# Altium PCB LHCbit.PcbDoc
Units mm, origin at the board's own origin, x right, y up, seen from the top; angles counter-clockwise.
Board outline 51.6 x 44.4 mm, 4 copper layers (Top Layer, Layer 1, Layer 2, Bottom Layer), stack 1.588 mm thick; 52 components, 48 nets, 308 pads, 297 vias.
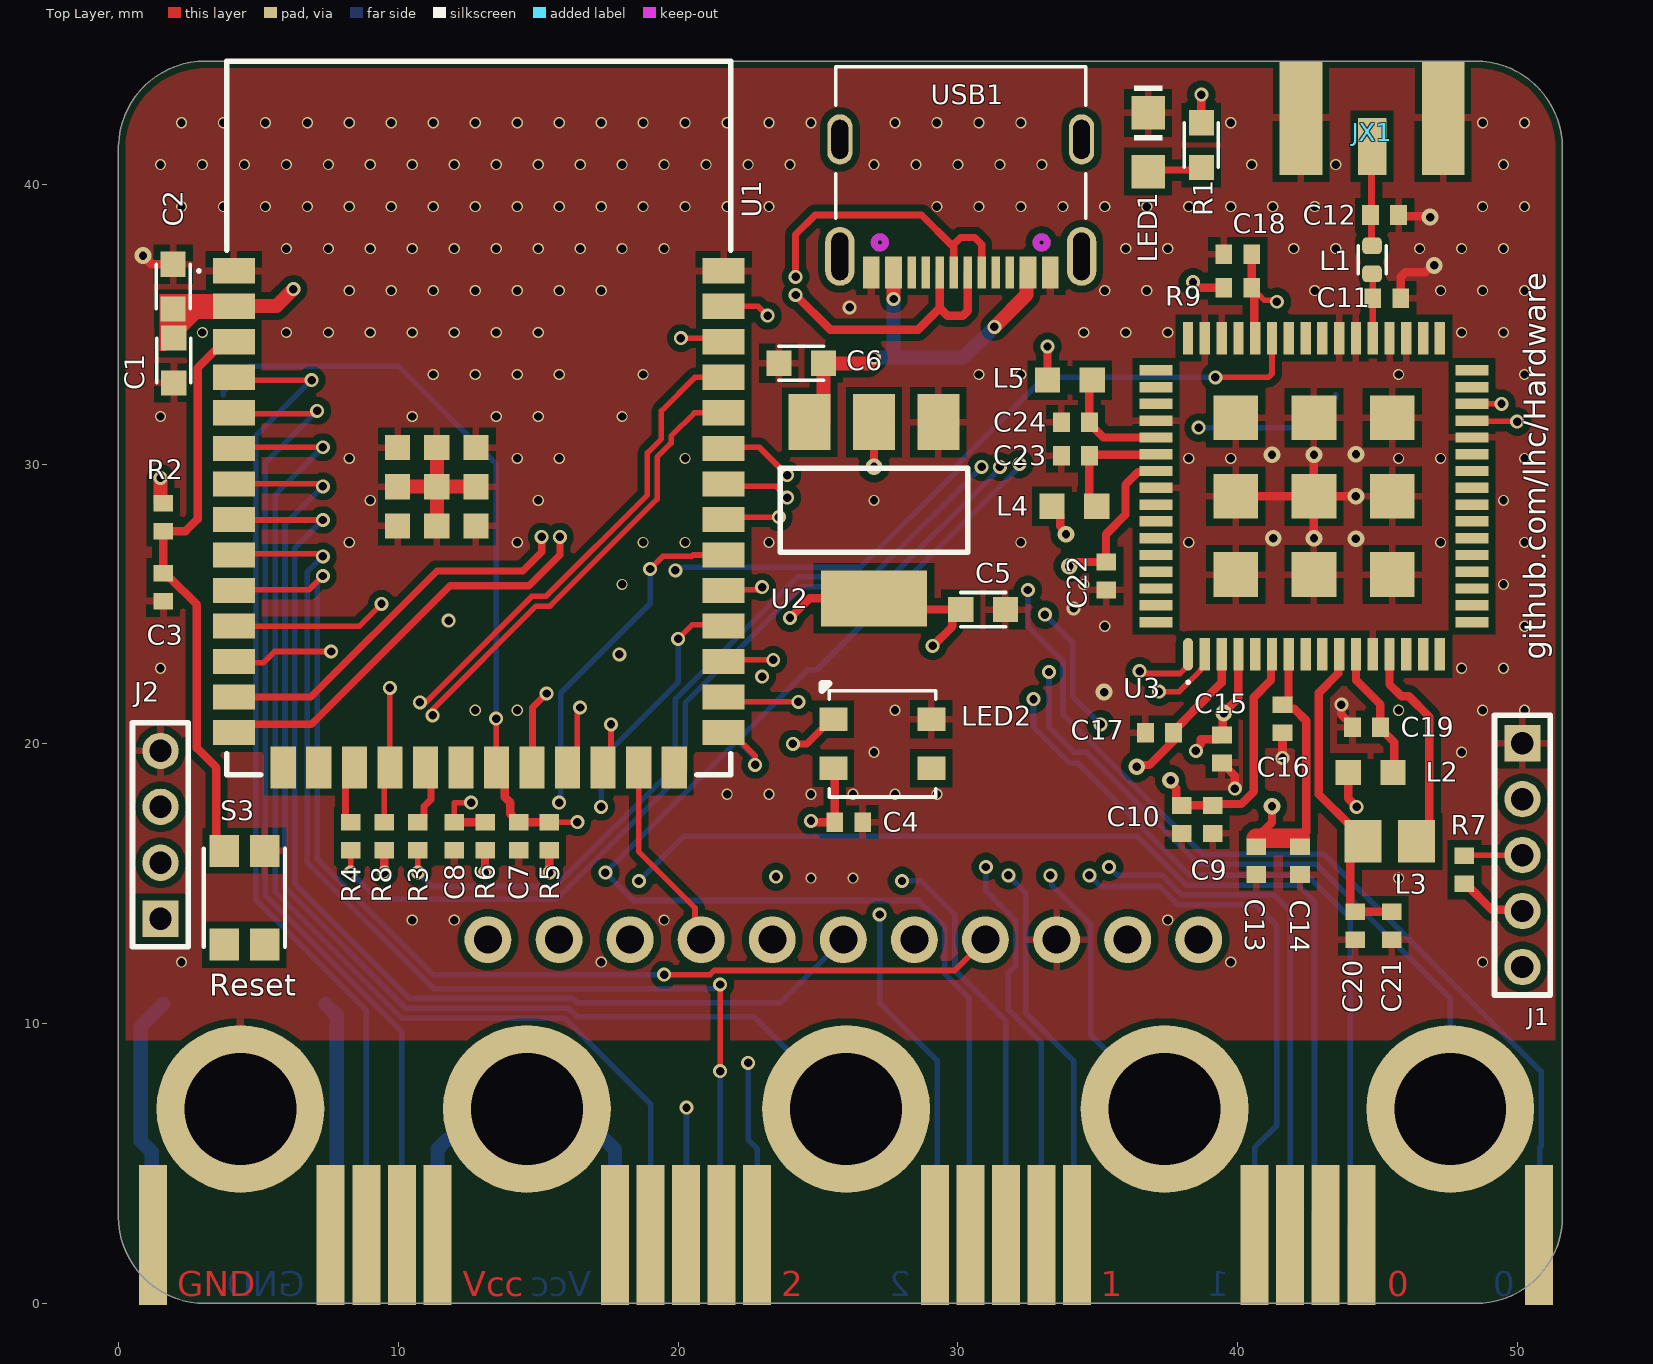
[diagram p0: Top Layer view]
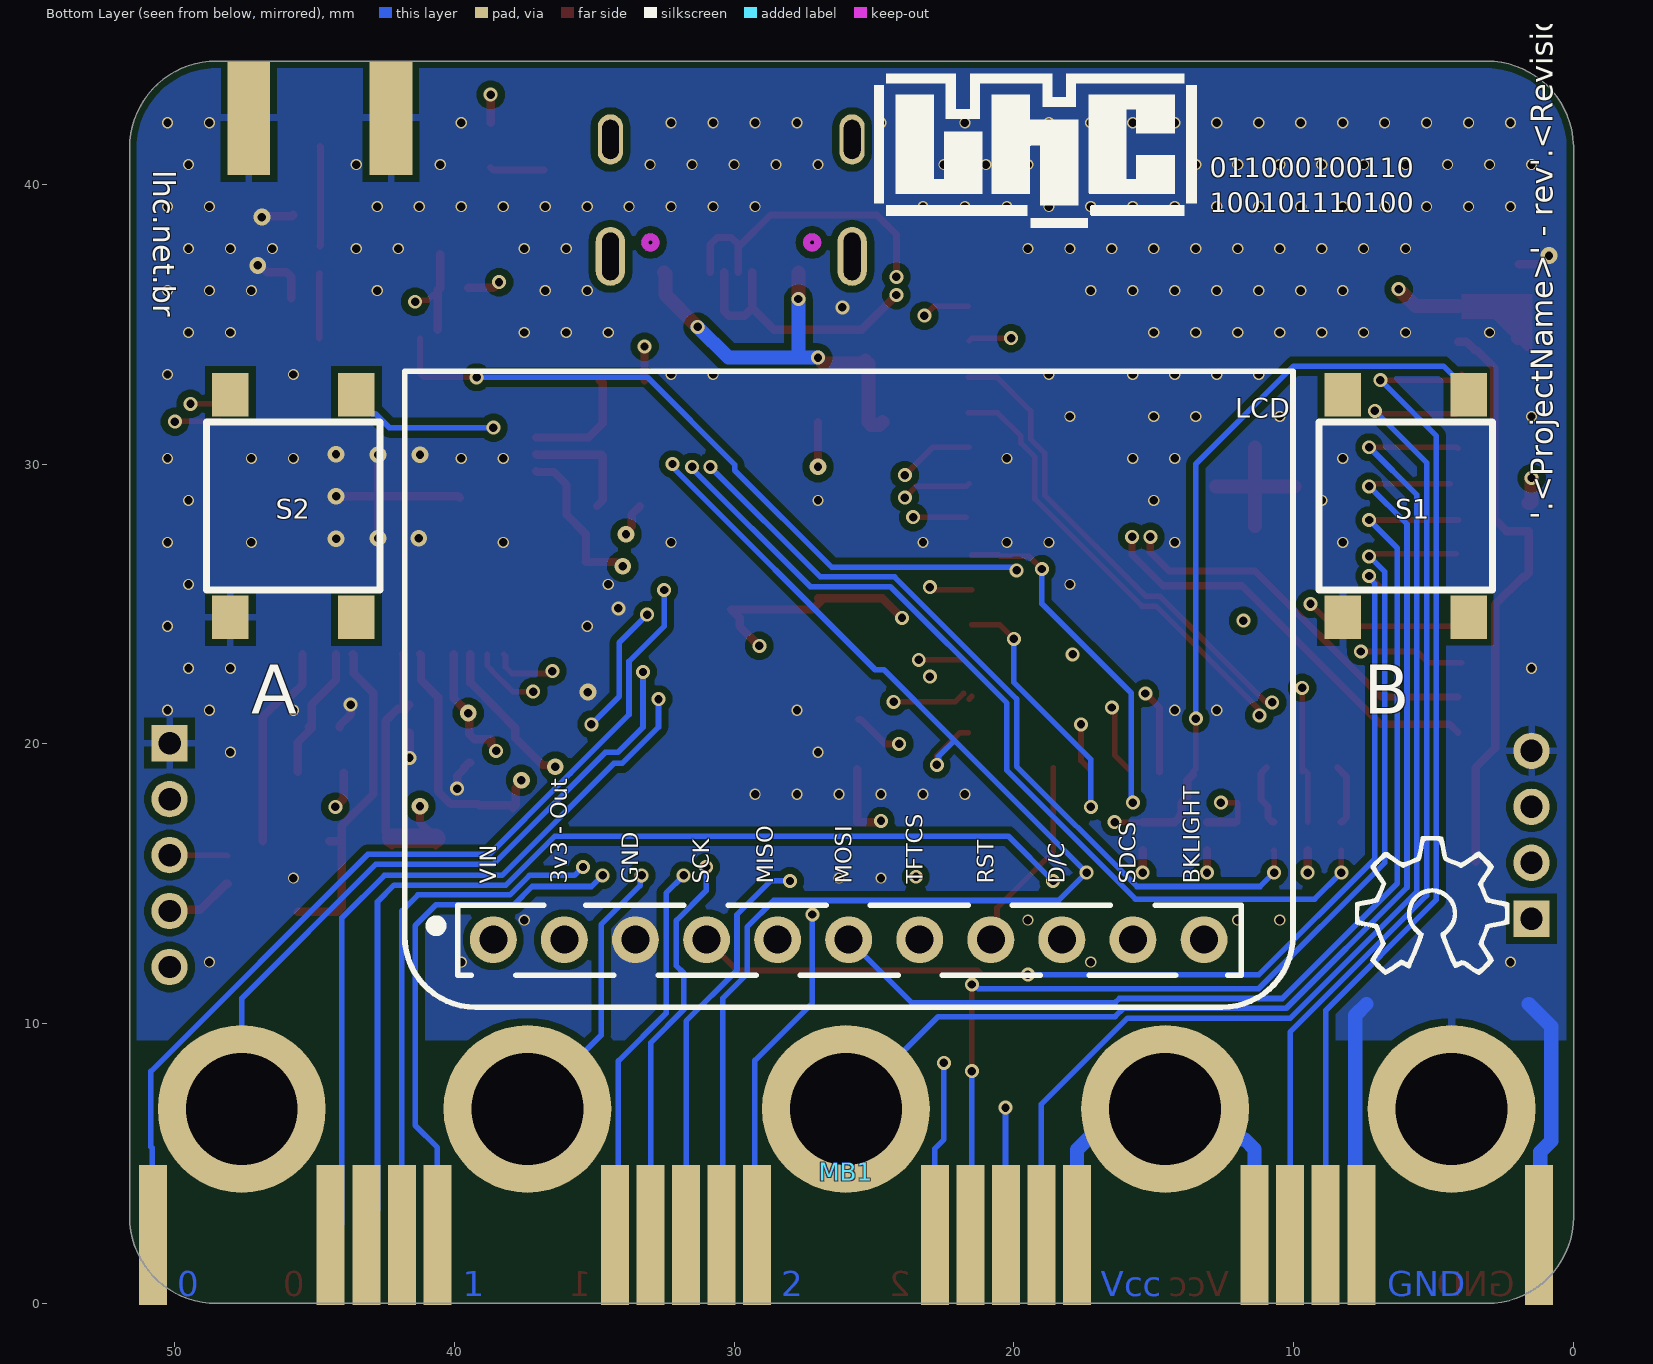
[diagram p1: Bottom Layer view, seen from below]
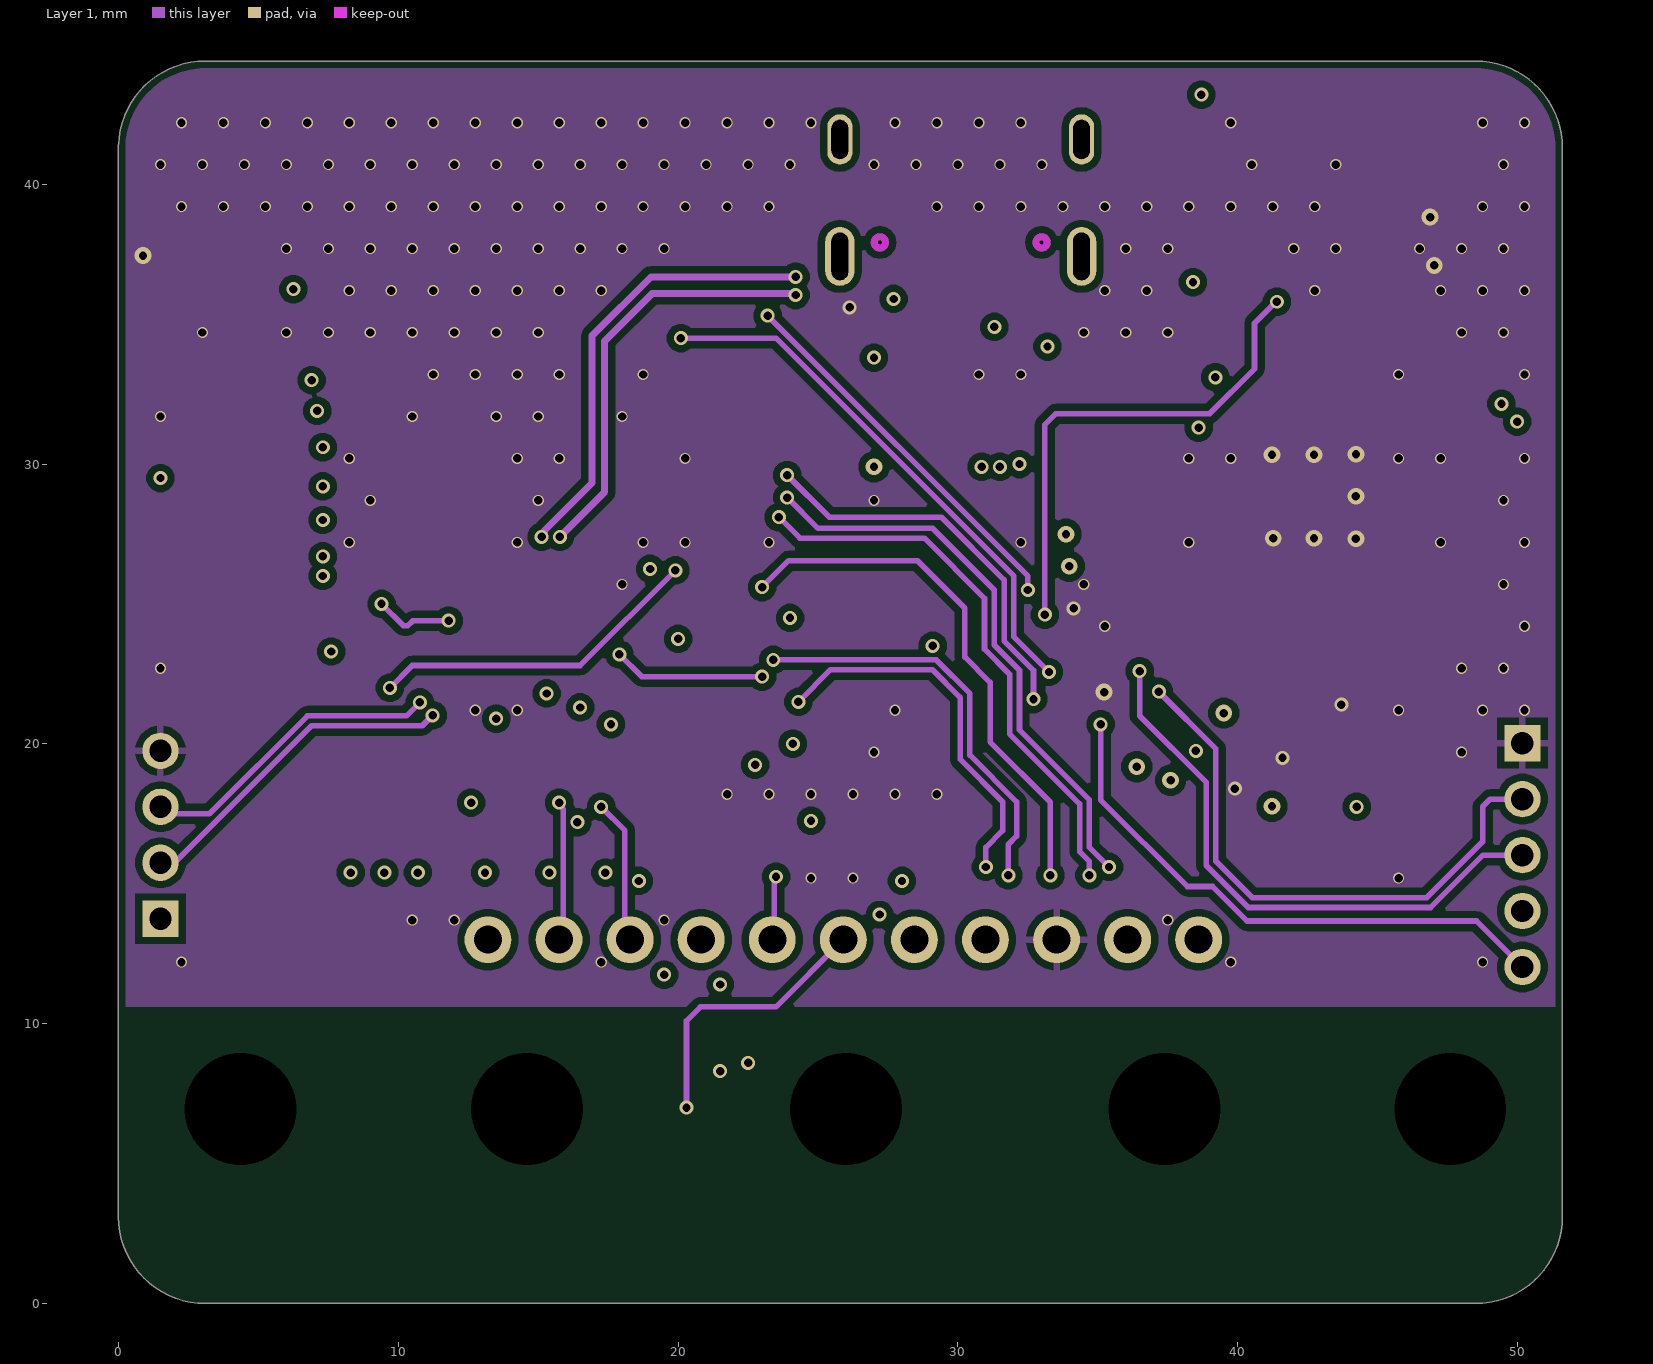
[diagram p2: Layer 1]
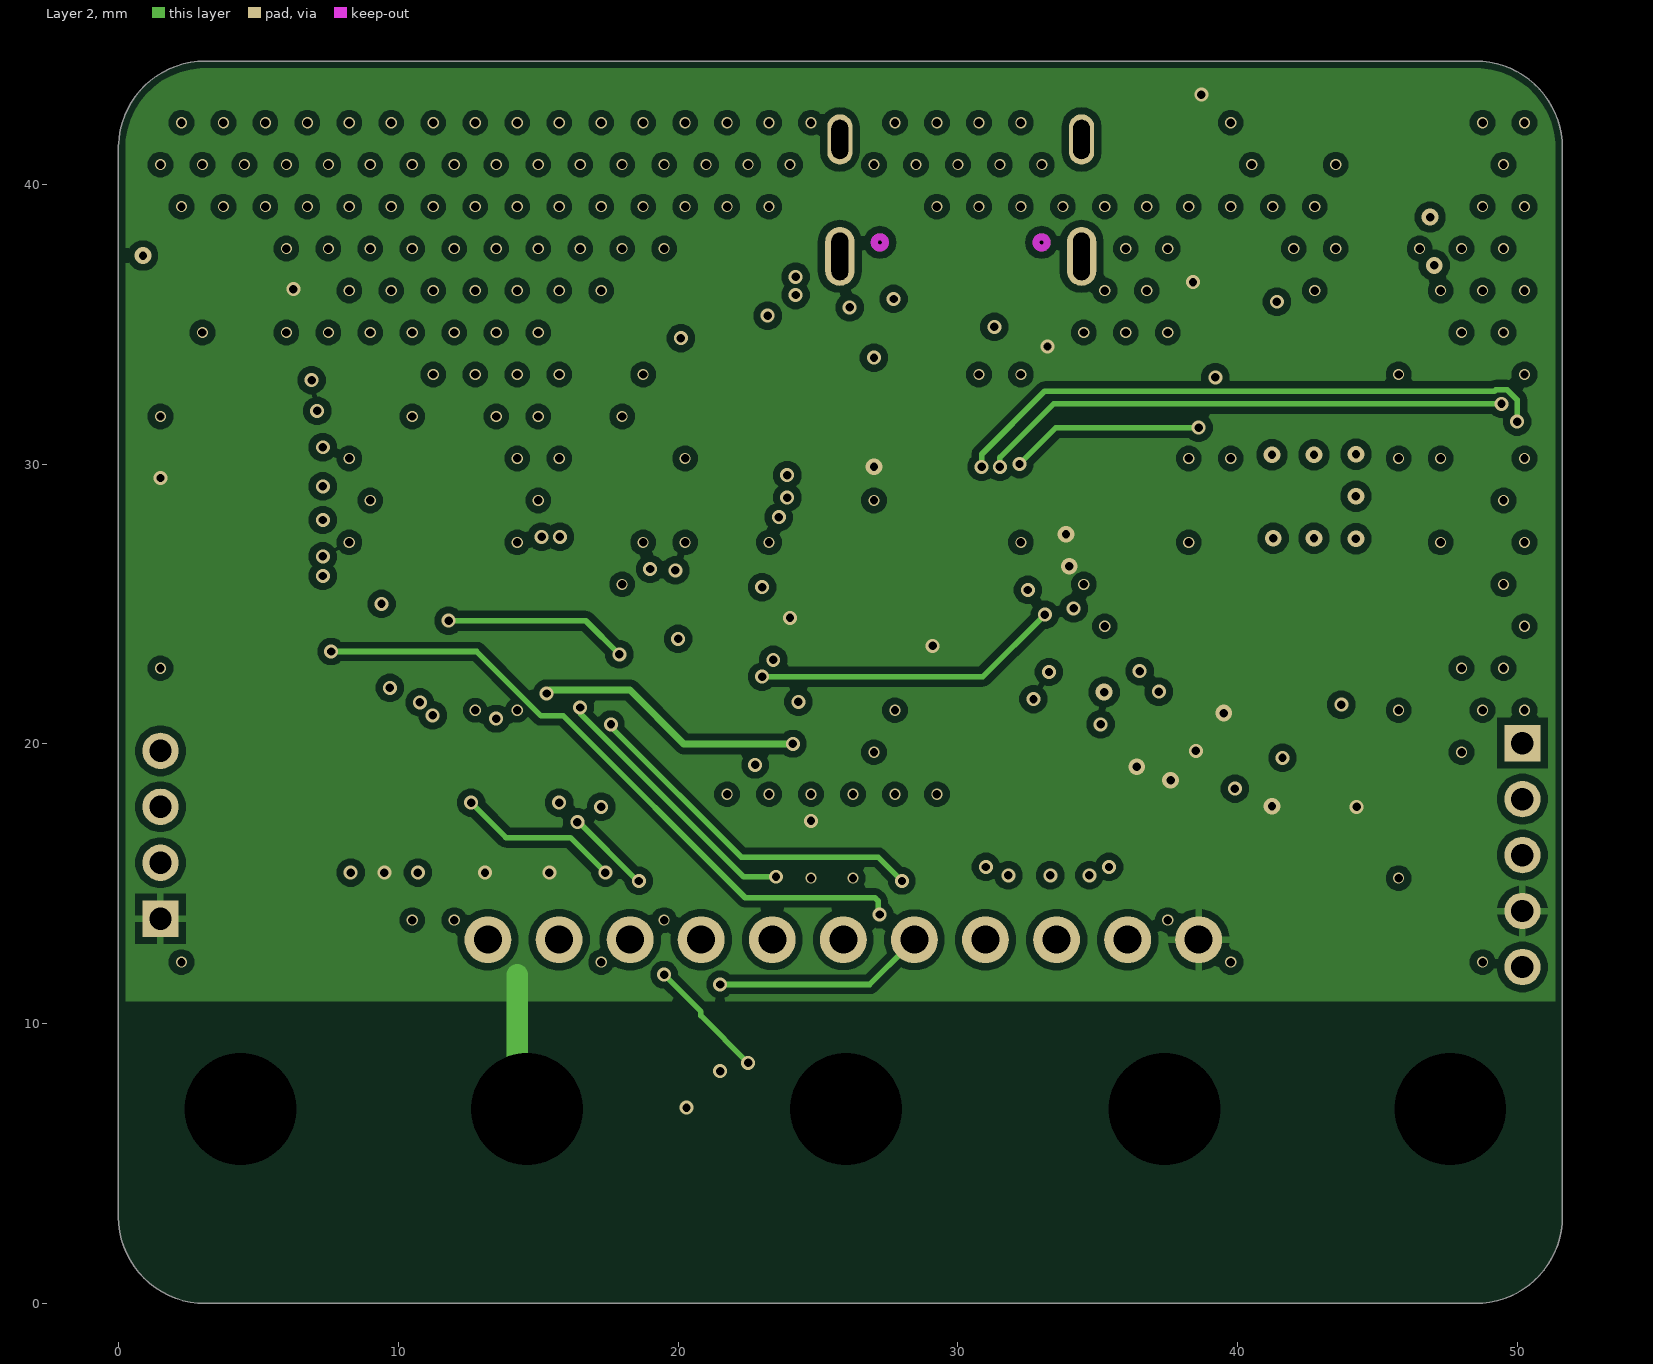
[diagram p3: Layer 2]
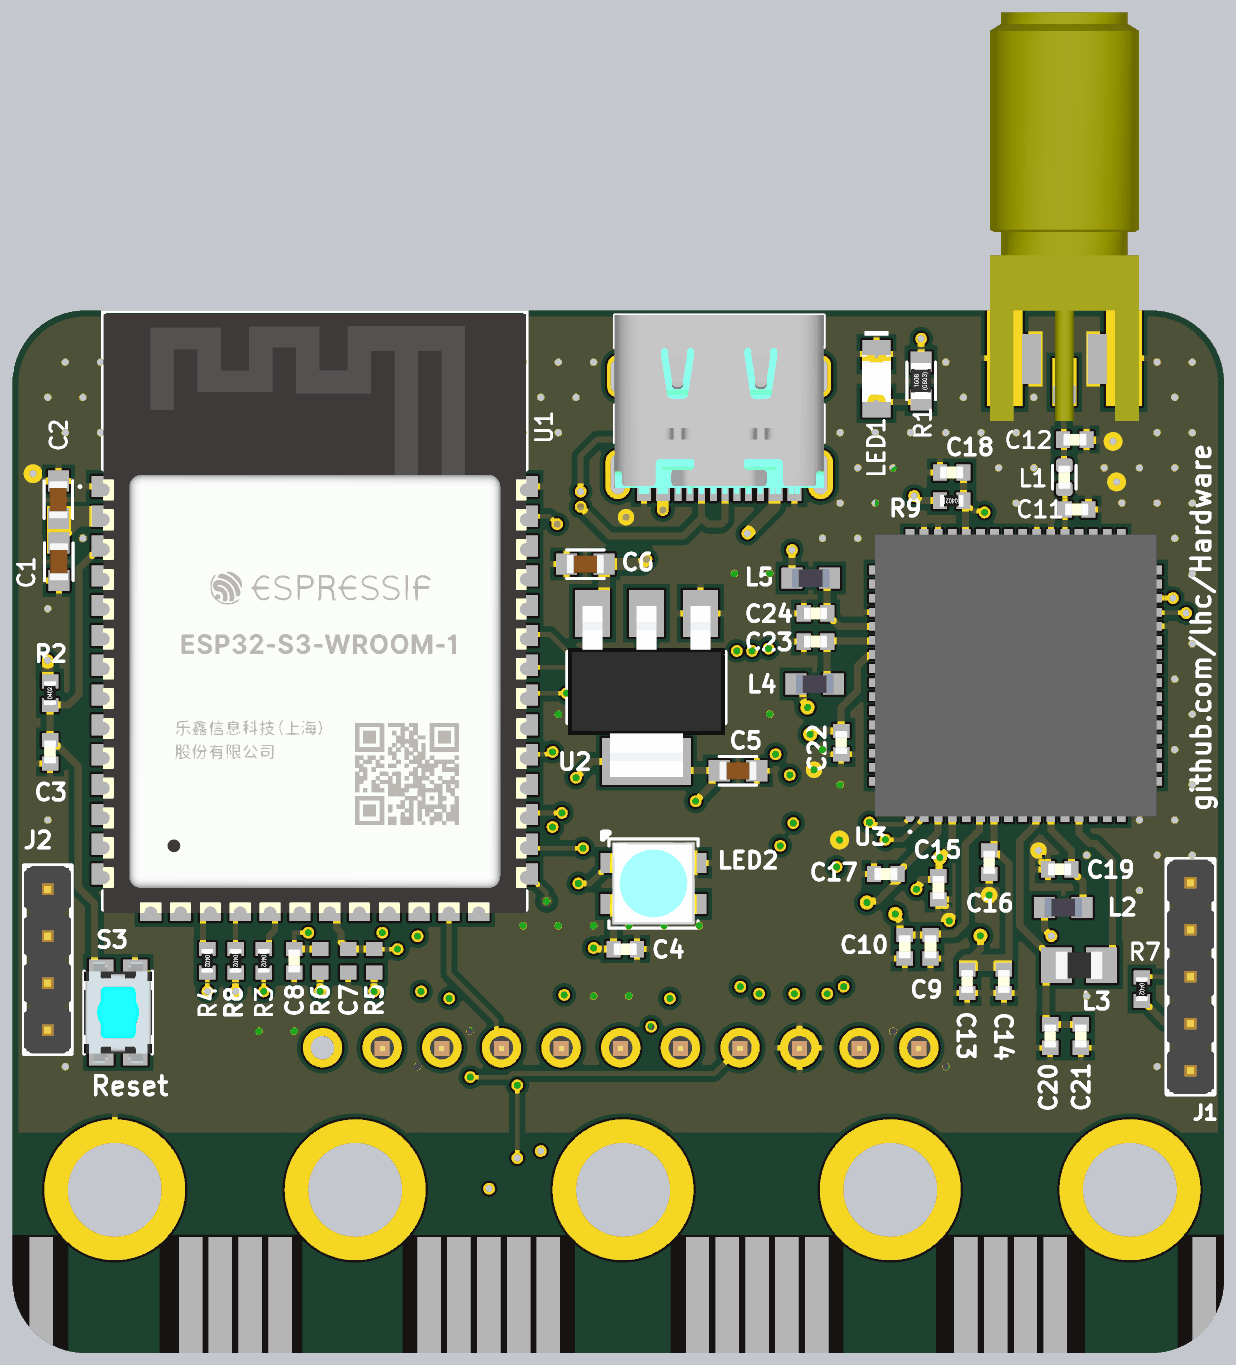
[diagram p4: 3D render of the assembled board from above, using the file's embedded part models]
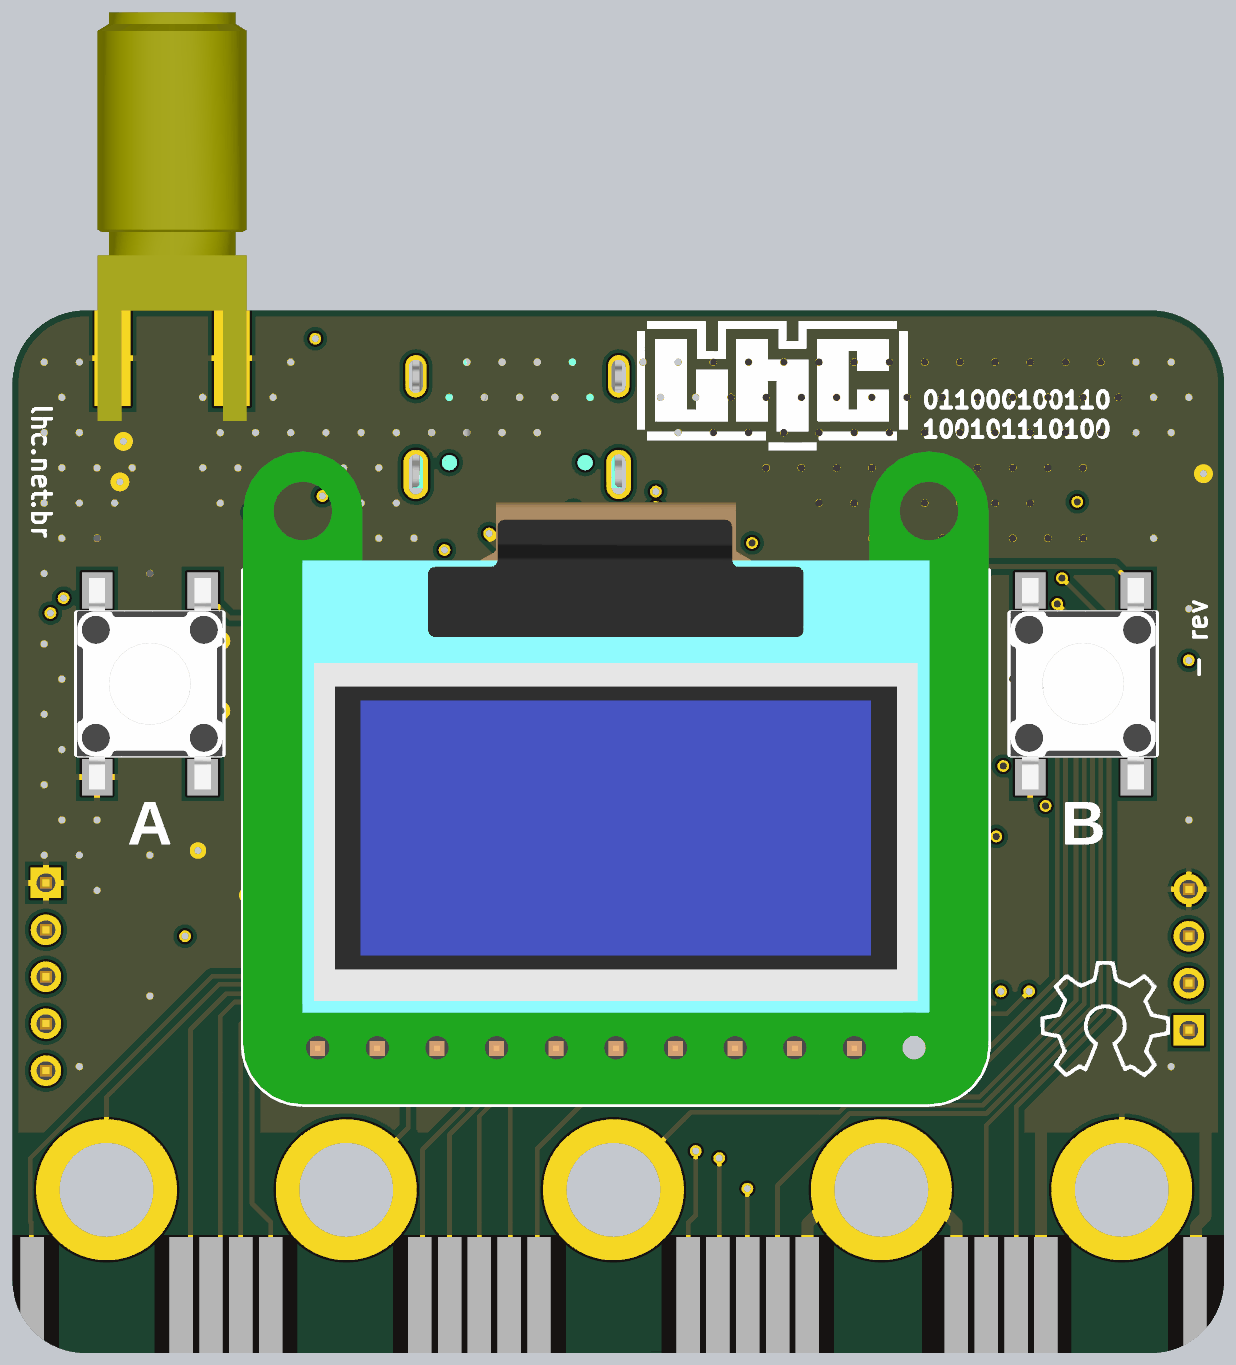
[diagram p5: 3D render of the assembled board from below, using the file's embedded part models]

## Layer stack, top to bottom
Top Solder: solder mask 0.0254, SM-001, Dk 4
Top Layer: signal copper 0.035
Dielectric 2: prepreg 0.2083, PP-022, Dk 4.5
Layer 1: signal copper 0.018
Dielectric 1: core 1.065, Core-043, Dk 4.3
Layer 2: signal copper 0.018
Dielectric 3: prepreg 0.2083, PP-022, Dk 4.5
Bottom Layer: signal copper 0.035
Bottom Solder: solder mask 0.0254, SM-001, Dk 4

## Board outline
0,3.1 ccw(c3.1,3.1) 3.1,0 48.5,0 ccw(c48.5,3.1) 51.6,3.1 51.6,41.299 51.6,41.3 ccw(c48.5,41.3) 48.5,44.4 3.1,44.4 ccw(c3.1,41.3) 0.002,41.422 0,41.4

## Design rules (kind name [scope] priority, off if disabled: settings)
BoardOutlineClearance [All] p1: gap=0.254 ignorepadtopadclearanceinfootprint=FALSE except(0: Arc-SplitContinuation Track-SplitContinuation SMDPad-OutlineEdge SMDPad-SplitContinuation THPad-SplitContinuation Via-SplitContinuation Fill-SplitContinuation Poly-SplitContinuation Region-SplitContinuation Text-SplitContinuation; 0.1: Track-OutlineEdge Text-OutlineEdge; 0.2: Text-CavityEdge Text-CutoutEdge Text-SplitBarrior)
Clearance RF [InNetClass('50Ohms')] p1: gap=0.152 ignorepadtopadclearanceinfootprint=FALSE except(0: Arc-Hole Track-Hole SMDPad-Hole THPad-Hole Via-Hole Fill-Hole Poly-Hole Region-Hole Text-Hole; 0.127: Arc-Fill Arc-Poly Arc-Region Track-Via Track-Fill Track-Poly Track-Region Track-Text SMDPad-Via SMDPad-Fill SMDPad-Poly SMDPad-Region; 0.254: Track-THPad; 0.305: THPad-Poly Via-Poly Fill-Poly Fill-Region Poly-Poly Poly-Region)
Clearance [All] p2: gap=0.15 ignorepadtopadclearanceinfootprint=FALSE except(0: Arc-Hole Track-Hole SMDPad-Hole THPad-Hole Via-Hole Fill-Hole Poly-Hole Region-Hole Text-Hole; 0.25: Arc-Poly Track-Poly SMDPad-Poly THPad-Poly Via-Poly Fill-Poly Poly-Poly)
DiffPairsRouting [All] p1: maxlimit=0.254 minlimit=0.25 mostfreqgap=0.254 toplayer_prefgap=0.25 toplayer_minwidth=0.25 toplayer_maxwidth=0.25 toplayer_prefwidth=0.25 midlayer1_mingap=0.254 midlayer1_minwidth=0.381 midlayer1_maxwidth=0.381 midlayer1_prefwidth=0.381 midlayer2_mingap=0.254 midlayer2_minwidth=0.381 midlayer2_maxwidth=0.381 midlayer2_prefwidth=0.381 bottomlayer_prefgap=0.25 bottomlayer_minwidth=0.25 bottomlayer_maxwidth=0.25 bottomlayer_prefwidth=0.25 maxuncoupledlength=12.7
HoleSize [IsVia] p1: absolutevalues=TRUE maxlimit=10 minlimit=0.025 maxpercent=80.000 minpercent=20.000
MinimumSolderMaskSliver [All] p1: minsoldermaskwidth=0
PlaneClearance PlaneClearance_RF [InNet('WLAN_RF')] p1: clearance=0.8
PlaneClearance [All] p2: clearance=0.5
PlaneConnect [All] p1: planeconnectstyle=Relief reliefexpansion=0.508 reliefentries=2 reliefconductorwidth=0.254 reliefairgap=0.254
PolygonConnect PolygonConnect_vias [All vs IsVia] p1: connectstyle=Direct reliefconductorwidth=0.254 reliefentries=4 polygonreliefangle="90 Angle" airgapwidth=0.254
PolygonConnect [All] p2: connectstyle=Relief reliefconductorwidth=0.25 reliefentries=4 polygonreliefangle="90 Angle" airgapwidth=0.25
RoutingVias [All] p1: holewidth=0.3 width=0.6 viastyle="Through Hole" minholewidth=0.3 minwidth=0.5 maxholewidth=0.5 maxwidth=0.8 viatemplateguid#1={8426FDED-F5BA-4CAB-9141-54A8BC6DD2D3} viatemplateguid#2={668211A3-BF85-4814-A931-83ECD4CAE96E} viatemplateguid#3={DD99C7B2-69A4-4F03-96B4-6F71CC3A3FCA} viatemplatename#1=v60h30 viatemplatename#2=v50h30 viatemplatename#3=v45h31(1)
SilkToSilkClearance [All] p1: silktosilkclearance=0.001
SilkToSolderMaskClearance [IsPad] p1: minsilkscreentomaskgap=0 clearancetoexposedcopper=TRUE
SolderMaskExpansion SolderMaskExpansion_Vias [IsVia] p1: expansion=-10 istentingtop=FALSE
SolderMaskExpansion [All] p2: expansion=0.1 istentingtop=FALSE
UnpouredPolygon [All] p1: allowunpoured=TRUE allowshelved=TRUE
Width RF_1 [InNetClass('50Ohms')] p1: maxlimit=0.254 minlimit=0.225 preferedwidth=0.254 toplayer_maxwidth=0.225 toplayer_prefwidth=0.225 bottomlayer_maxwidth=0.225 bottomlayer_prefwidth=0.225 impedanceprofiledriven=TRUE impedanceprofileid={D2F659F8-A690-4C51-8CE7-47CDAA934BD5} impedanceprofilevalue=50.000000 minimp=50.000000 maximp=50.000000 favimp=50.000000
Width [All] p2: maxlimit=3.556 minlimit=0.1 preferedwidth=0.2 toplayer_minwidth=0.15 midlayer1_maxwidth=2 midlayer2_maxwidth=2 bottomlayer_minwidth=0.15 minimp=50.000000 maximp=50.000000 favimp=50.000000
22 further rules are at their usual default settings.

## Classes and differential pairs
net class 50Ohms: RF_Output
component class STM32WL_LHCbit: C9 C10 C11 C12 C13 C14 C15 C16 C17 C18 C19 C20 C21 C22 C23 C24 J1 JX1 L1 L2 L3 L4 L5 R7 R8 R9 U3
component class ESP32_LHCbit: C1 C2 C3 C4 C5 C6 C7 C8 J2 LCD LED1 LED2 MB1 R1 R2 R3 R4 R5 R6 S1 S2 S3 U1 U2 USB1
